# Altium PCB betrusted_dvt1b-dfm.PcbDoc (part 4 of 6) (continued)
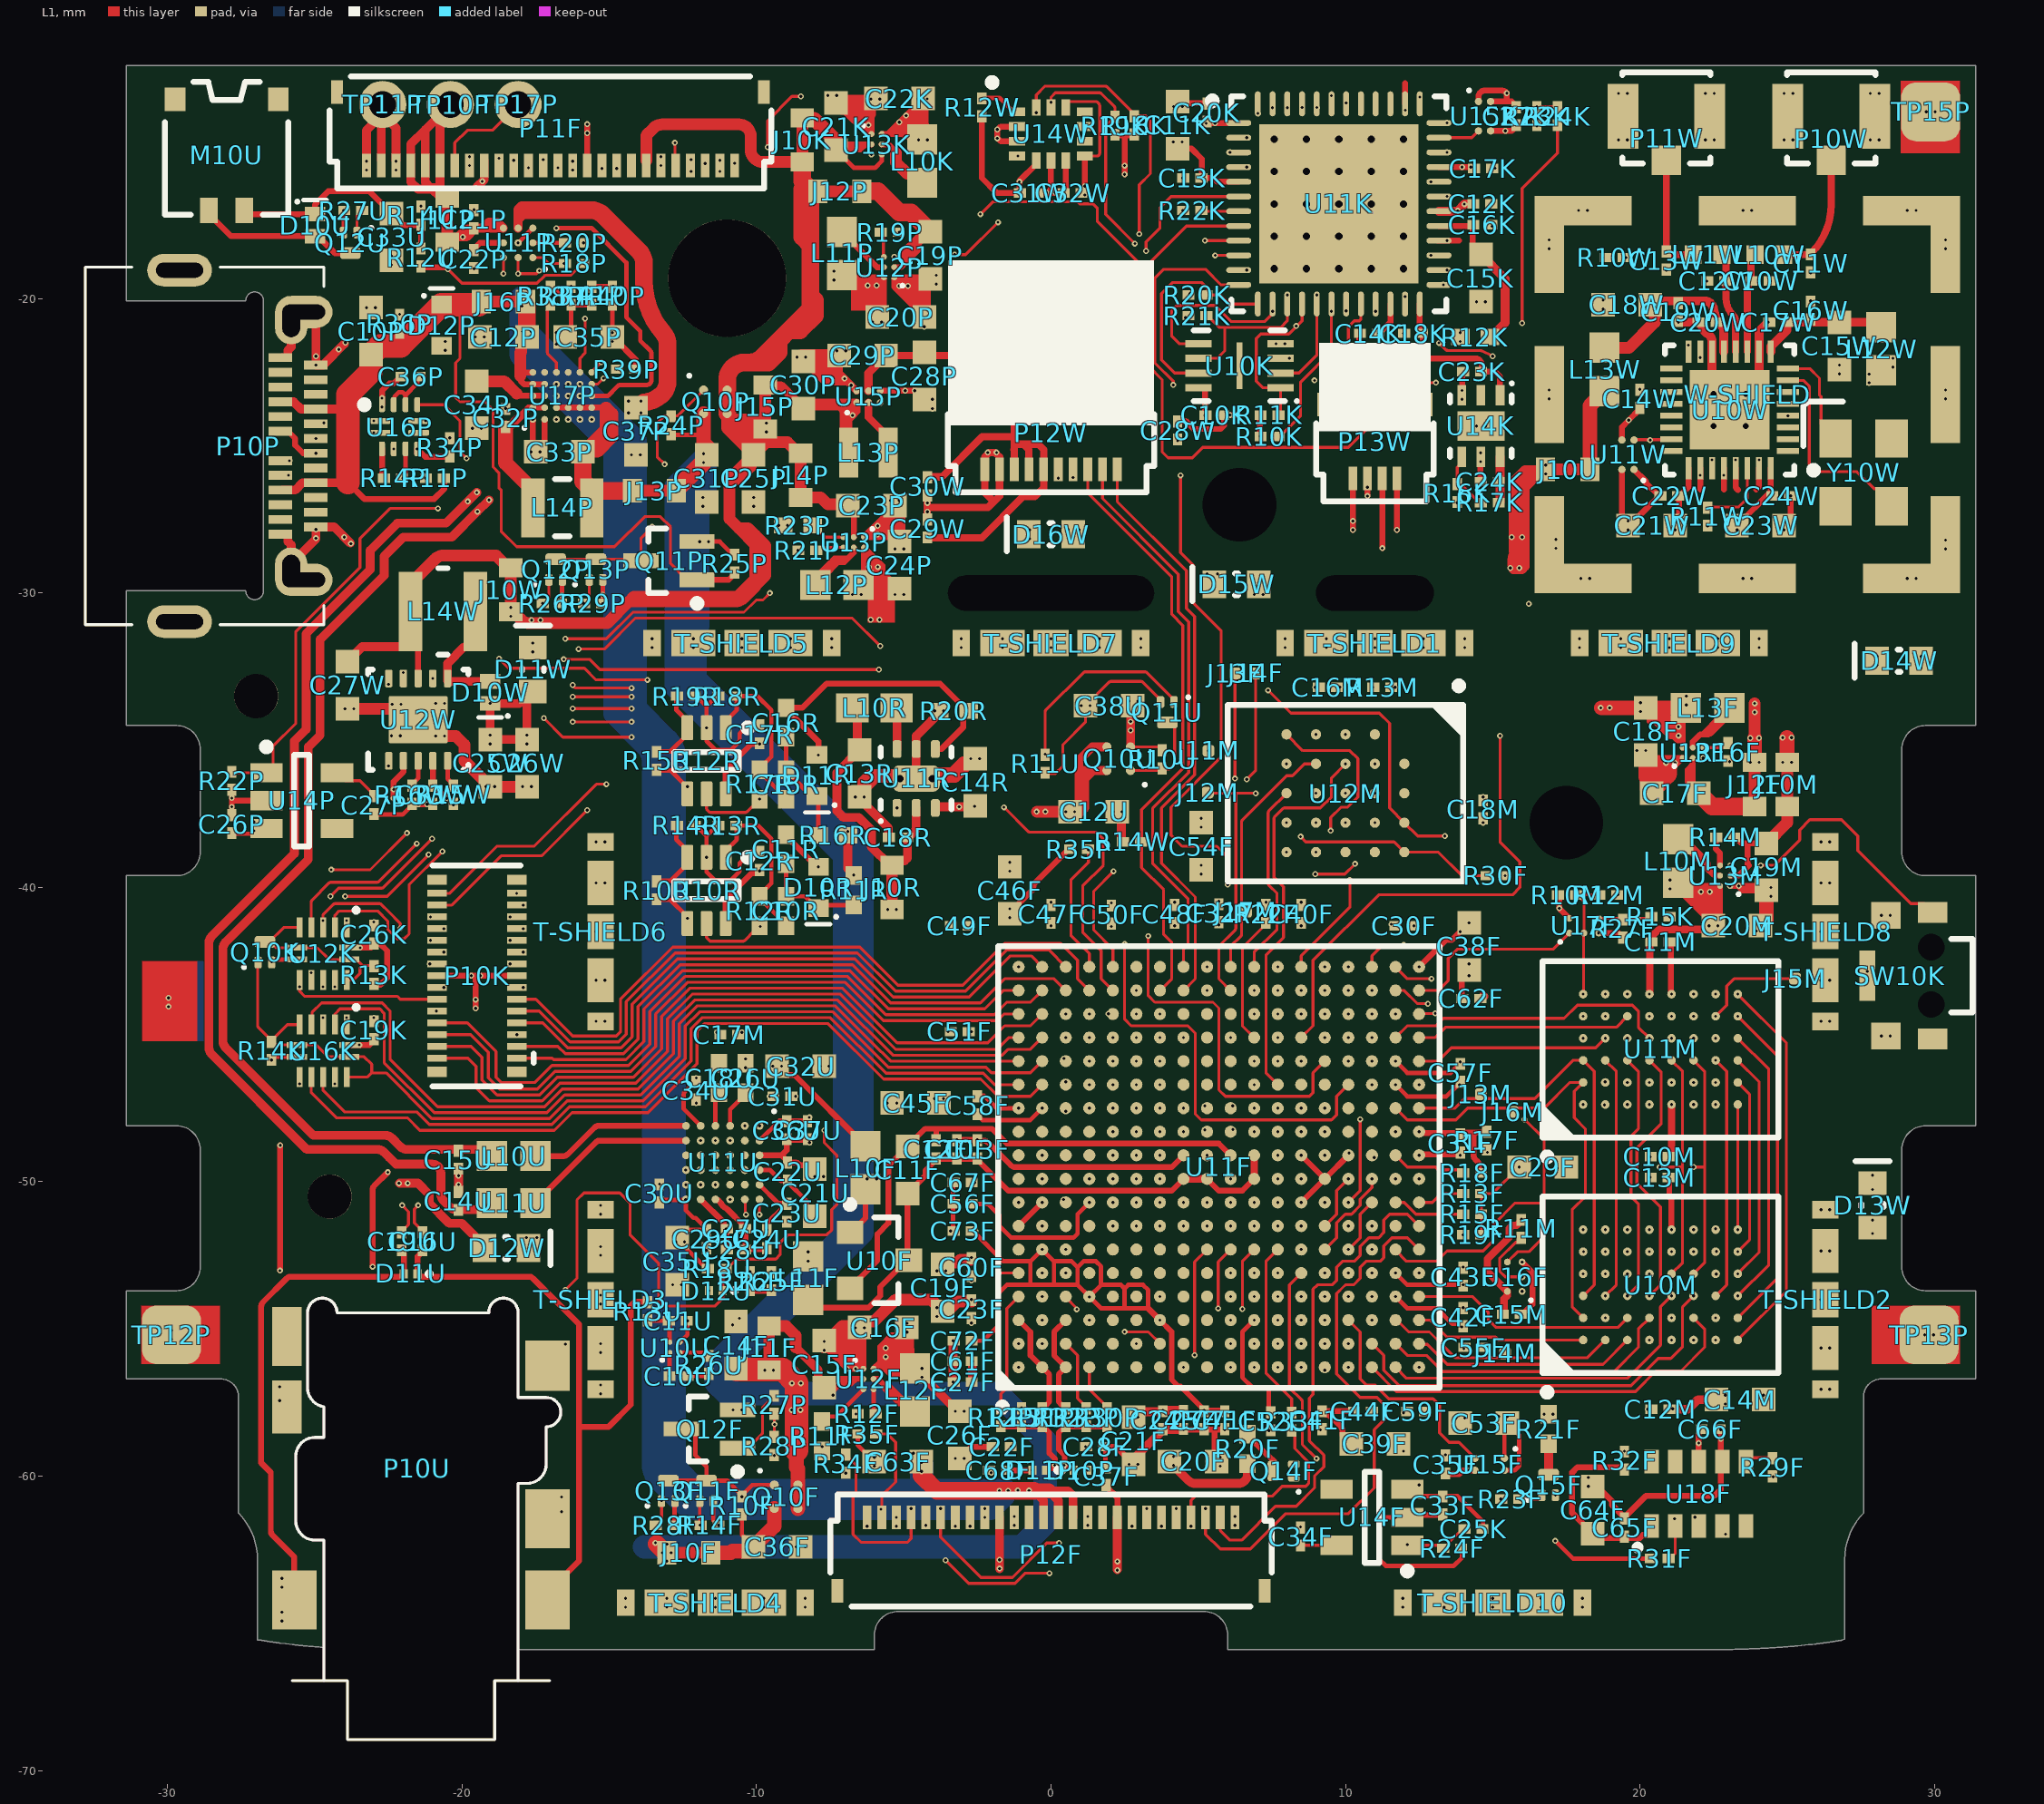
[diagram p0: L1 view]
## Nets (pads, with @x,y where several pads share a name; then routed paths per layer and width w, separated by ;. In a path a pad name is that pad's centre, name@x,y a point inside that pad or via, vN(x,y) a via of type N, cw(c..) or ccw(c..) an arc to the next point about the centre after c; other vN are vias at no path point) (continued)
  L1 w0.3: C12M.1@21.025,-57.725 21.65,-57.725 21.975,-57.4 C14M.1@22.6,-57.4
  L1 w0.5: v1@22.05,-40.2 21.665,-40.2 21.565,-40.1 21.56,-40.1 L10M.2@21.338,-39.878 ; v2(22.5,-41.3) ccw(c22.021,-41.156) 22.51,-41.05 21.339,-39.879 cw(c21.693,-39.526) L10M.2@21.338,-39.878 ; L10M.2@21.338,-39.878 cw(c21.693,-39.526) L10M.2@21.3,-39.835 21.3,-39.84 L10M.2@21.338,-39.878
  L2 w0.25: v1(20.325,-51.625) v2(20.325,-50.425) 20.35,-50.4 v1(20.35,-49.85) ; v1(20.325,-43.625) v2(20.325,-43.125) ; v2(21.075,-55.9) v1(21.075,-55.375) ; v2(21.075,-47.875) v1(21.075,-47.375)
  other v1: 21.118,-57.712 22.9,-57.55 22.9,-57.25 22.35,-41.3 22.65,-41.3 17.26,-40.71 22.075,-40.15 22.375,-40.15 21.025,-40.05 21.025,-39.75
  other v2: 21.118,-57.712 22.9,-57.4 15.975,-51.275 22.225,-40.15 21.025,-39.9
P1.8V_T: C12R.2 C16M.1 C17M.1 C17R.2 C18F.1 C18M.1 C27U.1 C28U.2 C29F.1 C30F.2 C31F.1 C31U.1 C32F.1 C32U.1 C33F.1 C35F.1 C38F.1 C39F.1 C40F.2 C41F.1 C42F.1 C43F.1 C44F.1 C52F.2 C53F.1 C54F.1 C55F.2 C56F.1 C57F.1 C58F.1 C59F.1 C62F.1 C67F.2 C68F.1 L10F.1 L13F.2 P12F.18 Q11U.1 R11U.2 R13F.2 R13M.2 R15F.2 R19F.1 R21F.2 R22F.2 R24F.2 R30F.1 R31F.1 R34F.1 U10R.6 U11F.B10 U11F.B12 U11F.D8 U11F.F12 U11F.H12 U11F.K12 U11F.L3 U11F.M12 U11F.N17 U11F.P4 U11F.P12 U11F.T16 U11F.U5 U11F.U13 U11F.V10 U11U.C2 U11U.E6 U12M.B4 U12M.D1 U12M.E4 U12R.6 U13F.A2 U14F.2 U15F.3 | length 74.7
  L1 w0.1: v1(-0.2,-35.475) -0.2,-34.041 cw(c-0.1,-34.041) -0.171,-33.971 1.096,-32.704 cw(c1.166,-32.775) 1.166,-32.675 3.189,-32.675 cw(c3.189,-32.775) 3.259,-32.704 4.18,-33.625 Q11U.1@4.18,-33.7 ; R19F.1@14.625,-51.8 14.625,-50.4 15,-50.4 v2(15.9,-49.5)
  L1 w0.15: C56F.1@-2.675,-50.75 -2.15,-50.75 -1.75,-51.15 -1.75,-51.5 -1.35,-51.9 0.762,-51.9 0.9,-51.762 v2(0.9,-51.1) v1(1.3,-50.7) ; C58F.1@-2.5,-47.725 -2.5,-47.75 -2.415,-47.835 -2.39,-47.835 -2.325,-47.9 -0.7,-47.9 v1(-0.3,-47.5) ; v1(6.9,-54.7) 6.5,-55.1 6.5,-56.65 6.825,-56.975 7.3,-56.975 7.4,-57.075 C52F.2@7.4,-57.8 ; C41F.1@9.2,-57.775 C41F.1@9.212,-57.787 ; C44F.1@10.263,-57.787 C44F.1@10.275,-57.8 ; v2(11.7,-53.1) 12.1,-53.5 13.95,-53.5 C43F.1@14,-53.55 ; v2(11.7,-46.7) 12.1,-47.1 13.425,-47.1 13.835,-46.69 13.9,-46.69 C57F.1@13.9,-46.65 ; U14F.2@12.1,-61.4 v1(11.7,-61.4) 11.35,-61.4 11.15,-61.6 11.15,-62.825 11.375,-63.05 13.675,-63.05 13.95,-62.775 R24F.2@13.95,-62.45 ; C38F.1@13.95,-43.05 C38F.1@14.2,-42.8 ; v1(17.125,-62.2) 17.725,-62.8 R31F.1@20.35,-62.8
  L1 w0.2: U11U.E6@-11.9,-50.6 -11.11,-51.39 -11.11,-51.54 -11.05,-51.6 v1(-11.038,-51.6) -11.025,-51.6 C28U.2@-11.025,-52.3 ; U10R.6@-11.05,-41.225 -11.05,-40.4 -10.16,-39.51 -9.96,-39.51 -9.9,-39.45 v1(-9.9,-39.438) C12R.2@-9.9,-39.425 ; U12R.6@-11.05,-36.825 -11.05,-36 -10.175,-35.125 v1(-9.9,-35.125) ; v2(-9.3,-46.075) -9,-46.375 -8.71,-46.375 -6.3,-48.785 L10F.1@-6.3,-48.79 ; C41F.1@9.2,-57.775 ccw(c9.387,-57.704) 9.246,-57.846 9.256,-57.856 ccw(c9.397,-57.714) 9.357,-57.91 9.397,-57.918 cw(c9.357,-58.114) 9.499,-57.974 9.842,-58.317 cw(c9.7,-58.458) 9.9,-58.457 ; C41F.1@9.212,-57.787 C44F.1@10.263,-57.787 ; 9.9,-58.458 9.9,-58.6 C39F.1@10.2,-58.9 ; U14F.2@12.1,-61.4 12.175,-61.325 C33F.1@13.3,-61.325 ; v1(12.5,-49.1) 12.538,-49.062 13.863,-49.062 C31F.1@13.9,-49.025 ; C35F.1@13.4,-59.925 13.863,-59.925 13.983,-59.805 U15F.3@14.4,-59.805 ; C62F.1@13.95,-43.775 C38F.1@13.95,-43.05 ; C18F.1@20.2,-33.9 C18F.1@20.325,-34.025 ; U13F.A2@21.45,-35.25 21.45,-35.006 ; L13F.2@21.565,-33.9 L13F.2@21.45,-34.015 ; C18F.1@20.325,-34.025 20.4,-34.1 20.65,-34.35 20.65,-34.375 ; C18F.1@20.325,-34.025 20.325,-34.35 20.625,-34.35 20.65,-34.375 ; 20.65,-34.375 21.281,-35.006 ; 21.281,-35.006 21.45,-35.006 ; 21.281,-35.006 21.281,-34.758 21.281,-34.184 L13F.2@21.45,-34.015 ; 21.45,-35.006 L13F.2@21.45,-34.015
  L1 w0.4: C18F.1@20.4,-34.1 20.725,-34.1 21.15,-34.525 21.15,-34.758 ; 20.65,-34.35 21.058,-34.758 21.15,-34.758 ; v1@21.281,-34.758 21.15,-34.758
  L1 w0.5: v1@18.7,-33.9 C18F.1@20.2,-33.9 L13F.2@21.565,-33.9
  L2 w0.15: v2@-2.229,-61.392 -2.229,-61.106 ccw(c-2.702,-60.633) -2.033,-60.633 -2.033,-59.909 cw(c-1.883,-59.909) v1(-2.031,-59.882)
  L2 w0.2: v2(-0.7,-48.7) v1(-0.3,-49.1) ; v2(-0.7,-47.1) v1(-0.3,-47.5) ; v2(0.9,-51.1) v1(1.3,-50.7) ; v2(2.5,-47.1) v1(2.9,-47.5) ; v2(4.1,-47.1) v1(4.5,-47.5) ; v1(6.174,-47.417) 6.183,-47.417 v2(6.5,-47.1) ; v1(7.7,-47.5) v2(8.1,-47.1) ; v1(9.3,-47.5) v2(9.7,-47.1) ; v2(11.109,-41.3) 11.159,-41.25 v1(11.559,-41.25) ; v1(12.5,-49.1) v2(12.9,-48.7) ; v2(13.434,-53.5) v1(14,-53.5) ; v2(13.5,-46.325) v1(13.875,-46.7) ; v2@13.625,-56.05 v2(13.7,-55.975) 14.005,-55.67 v1(14.017,-55.67) ; v2(13.751,-43.075) 14.125,-43.075 v1(14.2,-43) v1(14.2,-42.6) ; v1(13.9,-49.1) v2(14.3,-48.7) ; v1(14,-54.275) v2(14.566,-54.275)
  other v1: -2.25,-61.4 -2.25,-61.1 -6.975,-59.9 14.192,-59.805 10.05,-59.175 10.35,-59.175 13.75,-58.025 14.05,-58.025 16.75,-57.9 17.05,-57.9 10.225,-57.85 12.775,-57.85 9.3,-53.9 11.7,-53.1 -2.596,-50.035 15.9,-49.5 -10.9,-48.6 -9.556,-47.102 11.7,-46.7 -9.45,-46.075 -9.15,-46.075 -11.35,-44.925 10.9,-44.3 8.5,-43.5 8.5,-41.3 5.7,-41.275 7.3,-40.5 15.425,-39.6 5.1,-39.55 5.1,-39.25 8,-37.8 11,-37.8 14.675,-37.8 21.309,-34.842 9,-34.8 21.309,-34.542 20.025,-34.025 18.672,-33.9 18.972,-33.9 21.575,-33.8 20.025,-33.725 21.575,-33.5 8.975,-33.2 11.684,-33.197
  other v2: 17.125,-62.2 11.7,-61.4 -2.25,-61.25 -6.975,-59.9 14.192,-59.805 10.2,-59.175 13.9,-58.025 10.25,-57.9 12.8,-57.9 16.9,-57.9 6.9,-54.7 9.3,-53.9 -11.038,-51.6 -2.596,-50.035 -10.9,-48.6 -9.556,-47.102 -11.35,-44.925 10.9,-44.3 8.5,-43.5 8.5,-41.3 5.7,-41.275 7.3,-40.5 15.425,-39.6 -9.9,-39.438 5.1,-39.4 8,-37.8 11,-37.8 14.675,-37.8 -0.2,-35.475 -9.9,-35.125 9,-34.8 21.309,-34.692 18.822,-33.9 20.025,-33.875 21.575,-33.65 8.975,-33.2 11.684,-33.197
P2.5V: C18K.1 C23K.1 U11K.24 U14K.1 | length 5.5
  L1 w0.2: U11K.24@12.526,-20.177 12.526,-21.101 12.6,-21.175 12.625,-21.175 12.625,-21.832 ccw(c12.825,-21.832) 12.825,-22.032 14.425,-22.032 cw(c14.425,-22.232) 14.625,-22.232 14.625,-22.475 15.083,-22.475 15.25,-22.642 U14K.1@15.25,-23.275
P3.3V: C19K.1 C20K.1 C24P.1 C26K.1 C38U.1 J10U.1 L12P.2 L13W.2 P10K.24 P11F.9 Q10U.4 R10U.2 R13K.2 R14U.1 U11K.1 U12K.14 U13P.A2 U16K.14 | length 89.7
  L1 w0.1: Q10U.4@2.7,-35.225 3.675,-35.225 R10U.2@3.775,-35.325
  L1 w0.2: U16K.14@-23.835,-45.35 -23.15,-45.35 -23,-45.2 C19K.1@-23,-45.175 ; U12K.14@-23.835,-42.05 v1(-23.467,-42.05) -23.1,-42.05 -23,-41.95 -23,-41.925 -22.775,-41.925 -22.55,-42.15 -22.55,-43.075 -22.775,-43.3 R13K.2@-23,-43.3 ; C24P.1@-5.15,-29.85 -5.725,-29.275 ; C20K.1@5.3,-14 5.327,-14.027 U11K.1@6.376,-14.027 ; L12P.2@-6.35,-29.535 -6.35,-28.683 ; L12P.2@-6.35,-29.535 -6.175,-29.36 v1@-6.175,-29.109 ; L12P.2@-6.35,-29.535 L12P.2@-6.54,-29.725 -6.535,-29.725 -6.085,-29.275 -5.725,-29.275 ; -6.35,-28.683 U13P.A2@-6.35,-28.45 -6.038,-28.763 ; -6.35,-28.683 -6.175,-28.858 v1@-6.175,-29.109 ; v1@-6.175,-29.109 v1@-5.891,-29.109 ; v1@-6.175,-29.109 -6.141,-29.075 v1@-5.925,-29.075 ; -6.038,-28.763 -5.725,-29.075 ; -6.038,-28.763 -6.038,-28.962 v1@-5.925,-29.075 ; v1@-5.925,-29.075 v1@-5.891,-29.109 ; v1@-5.925,-29.075 -5.725,-29.075 ; v1@-5.891,-29.109 -5.725,-29.275 ; v1@-5.891,-29.109 -5.725,-29.275 ; -5.725,-29.275 -5.725,-29.075
  L1 w0.3: v1@-19.5,-16.2 -19.25,-15.95 P11F.9@-19.25,-15.3 ; C38U.1@2.577,-33.798 C38U.1@2.775,-33.6 ; Q10U.4@2.7,-35.225 2.702,-35.223 C38U.1@2.702,-34.023 ; 15.7,-29.2 15.691,-29.184 cw(c15.956,-29.044) 15.656,-29.044 15.656,-28.852 cw(c15.956,-28.852) 15.745,-28.64 ; 15.925,-26.512 15.925,-26.275 ; J10U.1@16.642,-25.883 16.1,-26.425 ; J10U.1@16.8,-25.875 J10U.1@16.8,-25.8 16.4,-25.8 ; 15.7,-27.431 15.7,-28.595 15.745,-28.64 ; 15.7,-27.431 15.925,-27.656 ; 15.7,-27.431 15.7,-26.5 ; 15.7,-26.5 15.7,-26.2 16.1,-25.8 16.4,-25.8 ; 15.7,-26.5 15.925,-26.275 ; 15.745,-28.64 15.925,-28.459 ; 15.855,-29.045 ccw(c15.625,-28.852) 15.925,-28.851 15.925,-28.459 ; 15.855,-29.045 16.1,-28.8 ; 15.855,-29.045 15.7,-29.2 16,-29.2 16.1,-29.1 16.1,-28.8 ; 15.925,-28.459 15.925,-27.656 ; 15.925,-27.656 15.925,-27.19 ; 15.925,-27.19 15.925,-26.724 cw(c16.225,-26.724) 16.013,-26.512 16.1,-26.425 ; 15.925,-27.19 16.1,-27.365 ; 15.925,-26.275 16.1,-26.1 ; 16.1,-28.8 16.1,-27.365 ; 16.1,-27.365 16.1,-26.425 ; 16.1,-26.425 16.1,-26.1 ; 16.1,-26.1 16.4,-25.8
  L1 w0.5: J10U.1@18.3,-25.8 18.3,-23.64 18.8,-23.14 L13W.2@18.8,-23.135
  L7 w0.54: v2(5.422,-14.04) 5.422,-13.716 5.651,-13.488 12.588,-13.488 13.4,-14.3 13.4,-16 13.075,-16.325 ; v2@5.432,-14.027 5.685,-13.775 12.35,-13.775 13.075,-14.5 13.075,-15.764 ; v2@15.8,-29.1 v2@15.85,-29.05 ; 12.8,-16.6 12.8,-16.039 13.075,-15.764 ; 12.8,-16.6 13.075,-16.325 ; 12.8,-16.6 12.8,-17.9 13.875,-18.975 15.125,-18.975 ; 13.075,-16.325 13.075,-15.764 ; 13.075,-16.325 13.075,-17.55 14.175,-18.65 14.8,-18.65 ; 14.8,-18.65 15.35,-18.65 15.675,-18.975 ; 14.8,-18.65 15.125,-18.975 ; 15.125,-18.975 15.675,-18.975 ; 15.125,-18.975 15.925,-19.775 15.925,-22.285 ; 15.6,-24.6 15.6,-25.1 16.161,-25.661 ; 15.6,-24.6 15.925,-24.925 ; 15.6,-24.6 15.6,-23.245 ; 15.6,-23.245 15.6,-22.61 15.925,-22.285 ; 15.6,-23.245 15.925,-22.92 ; 15.675,-18.975 16.3,-19.6 16.3,-22.545 15.925,-22.92 ; v2@15.85,-29.05 16.3,-28.6 16.3,-26.806 ; v2@15.85,-29.05 15.85,-26.75 16.161,-26.439 ; 15.925,-24.925 16.161,-25.161 ; 15.925,-24.925 15.925,-22.92 ; 15.925,-22.92 15.925,-22.285 ; 16.161,-26.439 16.3,-26.3 ; 16.161,-26.439 16.161,-26.161 ; 16.161,-26.161 16.161,-25.661 ; 16.161,-26.161 16.3,-26.3 ; 16.161,-25.661 16.161,-25.161 ; 16.161,-25.161 v2@16.8,-25.8 ; 16.3,-26.806 16.3,-26.3 ; 16.3,-26.806 16.8,-26.306 v2@16.8,-25.8 ; 16.3,-26.3 v2@16.8,-25.8
  other v1: -23.492,-45.35 -21.1,-42.6 2.702,-34.664 2.702,-34.364 2.64,-33.672 2.94,-33.672 -6.127,-30.905 -5.827,-30.905 -6.75,-30.05 -6.45,-30.05 -5.3,-30.05 -5,-30.05 15.602,-29.148 15.902,-29.148 -6.183,-29.109 -5.883,-29.109 15.645,-28.102 16,-28.1 16.8,-25.95 16.8,-25.65 -21.4,-16.85 -19.544,-16.236 -19.317,-16.01 5.272,-14.04 5.572,-14.04
  other v2: -23.492,-45.35 -21.1,-42.6 -23.467,-42.05 2.702,-34.514 2.79,-33.672 -5.977,-30.905 -6.6,-30.05 -5.15,-30.05 15.752,-29.148 -6.033,-29.109 15.8,-28.1 16.8,-25.8 -21.4,-16.85 -19.431,-16.123
P3.3V_A: C10U.1 C12U.1 C23U.1 C24U.2 C29U.1 C30U.2 C34U.1 C35U.1 C36U.1 C37U.2 C45F.1 C46F.1 C47F.2 C48F.1 C49F.1 C50F.1 C51F.1 C71F.2 C72F.1 C73F.1 C74F.1 Q10U.2 Q10U.3 R18U.2 R25F.2 R26F.2 R32F.2 R35P.2 U10U.A1 U11F.B6 U11F.C15 U11F.D4 U11F.F16 U11F.G3 U11F.J17 U11U.A2 U11U.A5 U11U.E2 U11U.F6 | length 80
  L1 w0.15: C30U.2@-13.3,-50.725 -13.3,-50.707 -13.215,-50.622 -12.422,-50.622 v1(-12.411,-50.611) U11U.F6@-12.4,-50.6 -12.4,-50.975 -12.15,-51.225 -12.075,-51.225 -11.7,-51.6 -11.7,-51.625 -12.425,-51.625 C35U.1@-12.7,-51.9 -12.375,-52.225 -12.375,-52.275 -11.7,-52.95 R18U.2@-11.675,-52.95 ; v1(-12.975,-56.6) -12.956,-56.581 -12.956,-55.806 U10U.A1@-12.95,-55.8 ; U11U.A5@-9.9,-50.1 -9.275,-50.725 -8.975,-50.725 -8.975,-50.75 -9.06,-50.835 -9.085,-50.835 -9.65,-51.4 v1(-9.65,-51.625) ; U11U.A2@-9.9,-48.6 -9.225,-47.925 -8.975,-47.925 C37U.2@-8.275,-47.925 ; C72F.1@-2.675,-55.4 -2.3,-55.4 -1.8,-54.9 -1.8,-53.8 -1.5,-53.5 -0.717,-53.5 ; C73F.1@-2.675,-51.675 -2.65,-51.675 -1.625,-52.7 v2(-0.7,-52.7) ; -0.717,-53.5 0.067,-53.5 ; -0.717,-53.5 -0.7,-53.483 v2(-0.7,-52.7) ; v2(-0.7,-52.7) v1(-0.3,-52.3) 0.1,-52.7 ; 0.067,-53.5 0.9,-53.5 ; 0.067,-53.5 0.1,-53.467 0.1,-52.7 ; 0.1,-52.7 0.7,-52.7 0.9,-52.9 ; 0.9,-53.5 0.9,-52.9 ; 0.9,-53.5 U11F.D4@1.3,-53.9 ; 0.9,-52.9 1.1,-52.7 1.525,-52.7 1.7,-52.875 1.7,-53.5 ; U11F.D4@1.3,-53.9 1.7,-54.3 2.5,-54.3 ; U11F.D4@1.3,-53.9 1.7,-53.5 ; 1.7,-53.5 2.375,-53.5 2.45,-53.575 2.5,-53.625 ; 2.5,-54.3 3.3,-54.3 3.3,-53.675 3.125,-53.5 2.625,-53.5 2.5,-53.625 ; 2.5,-54.3 2.5,-53.625
  L1 w0.18: v1(3.7,-54.7) 4.095,-55.095 4.095,-56.72 4.325,-56.95 4.4,-56.95 5.2,-57.75 v1(5.2,-57.775)
  L1 w0.2: R26F.2@-10.225,-53.7 v2(-9.5,-53.7) ; C46F.1@-1.4,-40.9 -1.4,-40.85 -1.359,-40.809 -0.659,-40.109 ccw(c-0.8,-39.967) -0.6,-39.967 -0.6,-39.9 0.6,-38.7 R35P.2@0.625,-38.7 ; v1@-0.525,-37.425 v1@-0.475,-37.425 ; 3.3,-54.3 v1(3.7,-54.7) ; v1(5.2,-57.775) C71F.2@5.9,-57.775
  L1 w0.3: C12U.1@0.935,-37.138 0.95,-37.124 0.95,-36.025 ; C12U.1@0.94,-37.51 1.15,-37.3 1.15,-36.3 1.425,-36.025 ; Q10U.2@1.9,-36.025 1.425,-36.025 ; Q10U.3@1.9,-35.225 1.4,-35.225 0.95,-35.675 0.95,-36.025 ; 0.95,-36.025 1.425,-36.025
  L1 w0.4: v1@-0.475,-37.425 v2(0.65,-37.425)
  L2 w0.15: v1(-12.05,-47.325) -11.944,-47.431 cw(c-12.05,-47.537) -11.9,-47.537 v1(-11.9,-48.6)
  L2 w0.2: v1(-0.3,-52.3) v2(-0.7,-52.7) v2@-0.757,-52.757 ; v1(1.3,-53.912) 1.293,-53.906 0.806,-53.906 ; v1(1.3,-53.912) cw(c1.298,-54.112) 1.44,-53.972 1.585,-54.117 ; 1.675,-54.289 1.675,-54.455 ; 1.675,-54.288 ccw(c1.475,-54.289) 1.617,-54.148 ; v1(3.7,-54.7) v2(3.3,-55.1) 3.282,-55.118 3.282,-55.618 3,-55.9 3,-56.2 2.8,-56.4 2.1,-56.4 ; v2(18.275,-58.325) 18.65,-58.325 v1(19.475,-59.15) ; -0.85,-54.2 0.017,-54.2 ; -0.85,-54.2 -1.075,-54.2 -1.35,-53.925 -1.35,-53.1 -1.007,-52.757 v2@-0.757,-52.757 ; -0.85,-54.2 -1.2,-53.85 -1.2,-53.2 v2@-0.757,-52.757 ; 0.017,-54.2 ccw(c0.017,-53.199) 0.019,-54.2 ; 0.017,-54.2 0.019,-54.2 ; 0.019,-54.2 ccw(c0.017,-53.199) 0.236,-54.176 ; 0.019,-54.2 0.519,-54.2 0.687,-54.032 ; 0.236,-54.176 ccw(c0.017,-53.199) 0.572,-54.032 ; 0.236,-54.176 0.506,-53.906 0.804,-53.906 ; 0.572,-54.032 ccw(c0.017,-53.199) 0.674,-53.955 cw(c0.805,-54.106) 0.804,-53.906 ; 0.572,-54.032 0.687,-54.032 ; 0.687,-54.032 1.251,-54.032 1.675,-54.455 ; 0.804,-53.906 cw(c0.805,-54.106) 0.806,-53.906 ; 0.804,-53.906 0.806,-53.906 ; 1.585,-54.117 1.617,-54.148 ; 1.585,-54.117 1.617,-54.148 ; 1.617,-54.148 1.85,-54.382 1.85,-54.691 1.675,-54.866 ; 1.675,-54.866 1.675,-54.455 ; 1.675,-54.866 1.675,-55.975 2.1,-56.4 ; 1.675,-54.866 1.5,-55.041 1.5,-56.05 1.85,-56.4 2.1,-56.4
  L7 w0.2: v1(5.2,-57.775) 5.2,-58.65 5.45,-58.9 9.7,-58.9 9.95,-58.65 17.425,-58.65 17.75,-58.325 v2(18.275,-58.325)
  other v1: -9.5,-53.7 -12.749,-52.043 -12.449,-52.043 -2.565,-51.679 -8.211,-47.813 -3.95,-47.175 -3.65,-47.175 0.5,-45.1 -2.7,-44.9 2.9,-44.3 5.3,-43.5 2.05,-41.325 -2.7,-41.3 0,-41.3 4.2,-41.3 -1.4,-41.025 -1.4,-40.725 -0.489,-37.425 -0.189,-37.425 0.5,-37.425 0.8,-37.425
  other v2: 5.2,-57.775 -12.975,-56.6 -12.599,-52.043 -2.565,-51.679 -9.65,-51.625 -12.411,-50.611 -11.9,-48.6 -8.211,-47.813 -3.8,-47.175 0.5,-45.1 -2.7,-44.9 2.9,-44.3 5.3,-43.5 2.05,-41.325 -2.7,-41.3 0,-41.3 4.2,-41.3 -1.4,-40.875 -0.339,-37.425
P5.0V: C28P.1 C29P.1 C29W.2 C30W.2 P12W.3 P12W.4 P12W.5 U15P.B2 | length 20.5
  L1 w0.25: C29P.1@-5.6,-21.925 -2.95,-21.925 -1.25,-23.625 -1.25,-24.687 ; C30W.2@-4.2,-26.05 -3.7,-26.05 -2.337,-24.687 -1.25,-24.687 ; C29W.2@-4.14,-28.185 -4.165,-28.185 -4.2,-28.15 -4.2,-28.125 -2.35,-28.125 -0.95,-26.725 -0.55,-26.725 -0.25,-26.425 P12W.5@-0.25,-25.8 -0.25,-25.125 -0.435,-24.94 -0.935,-24.94 ; -1.262,-25.125 -1.25,-25.137 ; P12W.3@-1.25,-25.925 P12W.3@-1.25,-25.8 -1.25,-25.137 ; P12W.4@-0.75,-25.925 P12W.4@-0.75,-25.8 -0.75,-25.125 -0.935,-24.94 ; -1.25,-25.137 -1.25,-24.94 ; -1.25,-24.94 -1.25,-24.687 ; -1.25,-24.94 -0.935,-24.94
  L1 w0.28: U15P.B2@-6.2,-23.125 -6.2,-22.525 C29P.1@-5.6,-21.925
PACK_P: C21P.2 J11P.1 P11F.4 P11F.5 P11F.6 TP10P.1 U11P.C3 U17P.F3 | length 28.9
  L1 w0.15: v1(-16.8,-17.6) -15.6,-17.6 -14.425,-18.775 -14.425,-20.625 ; U17P.F3@-15.6,-23.3 -15.05,-23.3 -14.719,-22.969 cw(c-14.613,-23.075) -14.613,-22.925 -13.725,-22.925 ccw(c-13.725,-22.775) -13.575,-22.774 -13.575,-21.862 ccw(c-13.725,-21.862) -13.619,-21.756 -13.95,-21.425 -13.95,-21.1 -14.425,-20.625 ; -14.425,-19.413 -14.425,-20.625
  L1 w0.3: J11P.1@-20.756,-16.607 -20.756,-16.544 -21.025,-16.275 ; J11P.1@-20.5,-17.9 J11P.1@-20.14,-17.9 ; J11P.1@-20.5,-16.4 -20.575,-16.4 -20.75,-16.225 ; -21.25,-14.25 -21.75,-14.75 -21.75,-16.025 -21.5,-16.275 -21.025,-16.275 ; -21.25,-14.25 P11F.5@-21.25,-15.475 -21.25,-16.05 -21.075,-16.225 ; -21.25,-14.25 TP10P.1@-20.4,-13.4 -20.4,-13.752 -20.75,-14.102 P11F.6@-20.75,-15.475 -20.75,-16.225 ; -21.075,-16.225 -21.025,-16.275 ; -21.075,-16.225 -20.75,-16.225 ; -21.025,-16.275 -20.75,-16.275 -20.75,-16.225 ; J11P.1@-20.14,-17.9 v1(-19.98,-17.9) -19.85,-17.9 -19.6,-17.65 C21P.2@-19.6,-17.625 ; J11P.1@-20.14,-17.9 -19.865,-17.625 C21P.2@-19.6,-17.625 ; C21P.2@-19.6,-17.625 C21P.2@-19.6,-17.61 ; C21P.2@-19.6,-17.61 -19.6,-17.6 -19.59,-17.59 -19.29,-17.59 -19.1,-17.4 -18.8,-17.4 U11P.C3@-18.6,-17.6 -19.59,-17.6 C21P.2@-19.6,-17.61
  L2 w0.15: v1(-19.98,-17.9) -19.762,-17.9 ccw(c-19.762,-17.75) -19.656,-17.856 -18.819,-17.019 cw(c-18.713,-17.125) -18.713,-16.975 -17.425,-16.975 v1(-16.8,-17.6)
PROG_B: C25K.1 P12F.21 R24F.1 SW10K.5 U11F.R8 U12M.A4 U14F.1 U17P.D4 | length 140.5
  L1 w0.1: P12F.21@-3.75,-61.4 -3.75,-62.075 -2.384,-63.441 -1.309,-63.441 -0.143,-62.275 v1(0.275,-62.275) ; v1(7.375,-33.3) 8.15,-34.075 11.15,-34.075 11.5,-34.425 11.5,-37.3 U12M.A4@12,-37.8 12.45,-38.25 v1(13.375,-38.25) ; v1(10.1,-50.7) 10.5,-50.3 10.5,-47.9 10.502,-47.898 v1(10.502,-47.877) ; U14F.1@12.1,-62.35 13.2,-62.35 13.3,-62.45 13.325,-62.45 13.865,-61.91 13.915,-61.91 C25K.1@14.025,-61.8 ; v1(24.107,-39.248) 24.522,-39.248 ccw(c24.522,-39.148) 24.593,-39.219 25.427,-38.385 25.427,-38.048 25.775,-37.7 26.85,-37.7 27.4,-38.25 27.4,-38.75 29.2,-40.55 29.65,-40.55 SW10K.5@29.95,-40.85
  L2 w0.1: v2(-17.825,-22.1) -17.325,-21.6 -17.325,-21.225 -16.949,-20.849 -16.677,-20.849 ; -16.675,-20.85 -16.4,-21.125 v1(-16.4,-22.9) ; v1(-3.75,-61.1) -3.468,-60.818 -3.043,-60.818 -2.5,-60.275 -2.5,-59.693 -2.107,-59.3 -1.616,-59.3 -1.545,-59.371 ccw(c-1.474,-59.3) -1.474,-59.4 -1.174,-59.4 ccw(c-1.174,-59.3) -1.103,-59.371 -1.052,-59.319 cw(c-0.981,-59.39) -1.043,-59.311 -1.014,-59.288 ccw(c-1.077,-59.21) -1.007,-59.282 -0.85,-59.125 -0.1,-59.125 0.675,-58.35 1.525,-58.35 2.503,-57.372 3.32,-57.372 3.9,-56.792 3.9,-56.5 3.9,-56.264 4.132,-56.032 4.132,-55.743 4.721,-55.154 ccw(c4.65,-55.084) 4.75,-55.084 4.75,-53.516 cw(c4.85,-53.516) 4.779,-53.446 5.725,-52.5 7.925,-52.5 8.175,-52.75 8.908,-52.75 9.5,-52.158 9.5,-51.3 v1(10.1,-50.7) ; v2(-1.325,-19.45) -1.8,-19.925 -1.8,-24.225 -3.075,-25.5 -3.075,-27.325 -4.175,-28.425 -4.175,-31.7 -3.075,-32.8 -1.45,-32.8 0.925,-35.175 3.9,-35.175 5.775,-33.3 v1(7.375,-33.3) ; v1(0.275,-62.275) 1.35,-62.275 1.825,-61.8 1.825,-60.825 2.525,-60.125 7.975,-60.125 8.5,-60.65 9.475,-60.65 11.15,-62.325 v1(12.1,-62.325) ; v1(10.502,-47.877) 10.504,-47.875 12.15,-47.875 13.05,-46.975 13.05,-44.75 12.45,-44.15 12.45,-43.05 11.901,-42.501 11.901,-42.276 11.675,-42.05 11.675,-41.825 12.075,-41.425 12.075,-40.95 13.662,-39.363 13.688,-39.363 ; v1(13.375,-38.25) 13.375,-39.05 13.688,-39.363 ; v1(24.107,-39.248) 23.694,-39.248 cw(c23.694,-39.148) 23.624,-39.219 23.404,-39 21.234,-39 20.4,-39.834 20.4,-41.275 20.15,-41.525 19.45,-41.525 18.025,-40.1 14.425,-40.1 13.688,-39.363
  L7 w0.1: v2(-17.825,-22.1) -15.6,-22.1 -15.375,-21.875 -13.65,-21.875 -13.125,-22.4 -11.6,-22.4 -11.075,-22.925 -8.725,-22.925 -7.975,-22.175 -7.975,-21.575 -6.55,-20.15 -2.025,-20.15 v2(-1.325,-19.45)
PWR_S0: R15K.2 R27F.1 U11F.U6 U11K.19 U16F.C2 U17F.C2 | length 64.3
  L1 w0.1: U11F.U6@11.7,-52.3 11.7,-52.325 12.075,-52.7 13.1,-52.7 13.45,-52.35 14.675,-52.35 15.025,-52 15.025,-51.45 15.75,-50.725 16.75,-50.725 ; U16F.C2@15.5,-52.725 15.85,-52.375 16.225,-52.375 16.75,-51.85 16.75,-50.725 ; v1(16.075,-47.875) 16.75,-48.55 16.75,-50.725 ; U17F.C2@18.6,-41.05 v1(19.925,-41.05) 20.325,-41.05 R15K.2@20.375,-41
  L2 w0.1: v1(10.024,-20.411) 10.024,-21.964 10.459,-22.4 11.025,-22.4 11.174,-22.549 11.174,-24.149 13.4,-26.375 13.95,-26.375 14.67,-27.095 16.045,-27.095 16.65,-27.7 16.65,-30.175 17.675,-31.2 21.475,-31.2 22.075,-31.8 22.075,-34.325 23.35,-35.6 23.35,-35.85 19.925,-39.275 v1(19.925,-41.05) ; v1(16.075,-47.875) v2(16.075,-47.275)
  L7 w0.1: v2(16.075,-47.275) 16.6,-46.75 19.884,-46.75 20.234,-47.1 23.3,-47.1 24.625,-45.775 24.625,-42.741 ccw(c24.525,-42.741) 24.595,-42.67 22.647,-40.722 21.947,-40.722 21.725,-40.5 20.475,-40.5 v1(19.925,-41.05)
  other v2: 19.925,-41.05
PWR_S1: U11F.L13 U11K.12 | length 34.7
  L1 w0.1: v1(4.152,-22.928) 4.152,-22.802 3.525,-22.175 3.525,-19.3 3.825,-19 5.25,-19 5.777,-19.527 U11K.12@6.376,-19.527 ; v1(4.4,-26) 4.4,-28.625 4.85,-29.075 4.85,-30.35 5.775,-31.275 5.775,-35.575 4.075,-37.275 4.075,-38.225 4.45,-38.6 5.625,-38.6 6,-38.975 v1(6,-39.9)
  L2 w0.1: v1(4.152,-22.928) 4.152,-23.077 4.65,-23.575 4.65,-25.75 v1(4.4,-26) ; v1(6,-39.9) 6.175,-40.075 6.175,-41.45 5.75,-41.875 5.75,-43.687 5.65,-43.787 5.65,-45.475 6.875,-46.7 v1(6.9,-46.7)
RES_CT: C34F.1 U14F.5 | length 1.2
  L1 w0.1: C34F.1@8.475,-62.375 8.5,-62.35 U14F.5@9.7,-62.35
RTC_3.3V: C64F.1 C65F.1 R32F.1 U18F.1 | length 6.5
  L1 w0.2: C64F.1@18.4,-61.95 17.7,-61.25 17.7,-59.875 17.875,-59.7 19.375,-59.7 19.39,-59.715 19.415,-59.715 19.475,-59.775 R32F.1@19.475,-59.8 ; C64F.1@18.475,-61.875 18.7,-62.1 20,-62.1 20.1,-62 20.25,-62 20.4,-61.85 U18F.1@20.4,-61.7
RTC_INT1: R31F.2 U11F.N5 U18F.2 | length 21
  L1 w0.1: U11F.N5@8.5,-53.1 8.1,-53.5 8.1,-57 8.506,-57.406 cw(c8.435,-57.477) 8.535,-57.477 8.535,-58.922 v1(9.015,-59.402) ; R31F.2@21,-62.8 21.025,-62.8 21.2,-62.625 U18F.2@21.2,-61.7
  L2 w0.1: v1(9.015,-59.402) 9.702,-59.402 10.125,-59.825 12.925,-59.825 13.425,-60.325 16.2,-60.325 17.296,-61.421 ccw(c17.366,-61.35) 17.366,-61.45 v1(21.175,-61.45)
RTC_WAKE_N: R29F.1 U18F.6 | length 1
  L1 w0.1: U18F.6@23.6,-59.5 23.725,-59.375 R29F.1@24.5,-59.375
SPINOR_CSN: R13M.1 U11F.M13 U12M.C2 | length 16.2
  L1 w0.1: U11F.M13@7.7,-46.7 7.3,-46.3 7.3,-42.3 7.9,-41.7 7.9,-39.98 7.575,-39.655 7.575,-37.66 cw(c7.675,-37.66) 7.604,-37.59 7.865,-37.329 cw(c7.935,-37.4) 7.935,-37.3 ; 7.935,-37.3 9.15,-37.3 9.525,-36.925 9.525,-36.275 v1(10,-35.8)
  L2 w0.1: v1(10,-35.8) 10.925,-34.875 v1(10.925,-33.2)
SPINOR_DQS: U11F.R14 U12M.C3 | length 10.7
  L2 w0.1: v1(10,-36.8) 10.3,-37.1 10.3,-38.8 9.8,-39.3 9.8,-41.2 8.9,-42.1 8.9,-44.466 8.9,-44.7 8.9,-45.3 9.1,-45.5 9.7,-45.5 v1(10.1,-45.9)
SPINOR_ECSN: R30F.2 U11F.L16 U12M.A5 | length 14.5
  L1 w0.1: v1(8.475,-38.275) 8.65,-38.45 11.65,-38.45 U12M.A5@12,-38.8 13.15,-38.8 13.95,-39.6 R30F.2@14.775,-39.6
  L2 w0.1: v1(6.9,-44.3) 6.4,-43.8 6.4,-42.2 6.9,-41.7 6.9,-38.875 7.5,-38.275 v1(8.475,-38.275)
SPINOR_IO2: U11F.L14 U12M.C4 | length 11.8
  L2 w0.1: v1(6.9,-45.9) 6.9,-44.7 6.2,-44 6.2,-42.1 6.7,-41.6 6.7,-38.475 7.775,-37.4 9.6,-37.4 v1(10,-37.8)
SPINOR_IO3: U11F.M15 U12M.D4 | length 8.7
  L2 w0.1: v1(7.7,-45.1) 7.7,-44.7 6.6,-43.6 6.6,-42.5 7.7,-41.4 7.7,-39.7 8.971,-38.429 ccw(c8.9,-38.359) 9,-38.359 v1(9,-37.8)
SPINOR_IO4: U11F.L17 U12M.D5 | length 5.6
  L2 w0.1: v1(6.9,-43.5) 6.9,-42.5 7.9,-41.5 7.9,-40.1 8.4,-39.6 8.4,-39.4 v1(9,-38.8)
SPINOR_IO5: U11F.L18 U12M.E3 | length 6.6
  L1 w0.1: U11F.L18@6.9,-42.7 6.9,-42.2 7.675,-41.425 7.675,-40.202 7.404,-39.931 cw(c7.475,-39.86) 7.375,-39.86 7.375,-37.466 cw(c7.475,-37.466) 7.404,-37.396 U12M.E3@8,-36.8
SPINOR_IO6: U11F.M14 U12M.E2 | length 12.8
  L2 w0.1: v1(7.7,-45.9) 7.4,-46.2 6.825,-46.2 6.6,-45.975 6.6,-44.9 6,-44.3 6,-42 6.5,-41.5 6.5,-36.9 7.6,-35.8 v1(8,-35.8)
SPINOR_IO7: U11F.N14 U12M.E1 | length 14.3
  L1 w0.1: U12M.E1@8,-34.8 8.55,-35.35 10.15,-35.35 10.425,-35.625 10.425,-36.925 10.075,-37.275 9.85,-37.275 9.5,-37.625 v1(9.5,-38.075)
  L2 w0.1: v1(8.5,-45.9) 8.5,-45.666 8.1,-45.266 8.1,-43.666 8.1,-42.5 9.2,-41.4 9.2,-40.025 9.5,-39.725 v1(9.5,-38.075)
SPINOR_MISO: J17M.1 U11F.K18 U12M.D2 | length 8.4
  L1 w0.1: U11F.K18@6.1,-42.7 6.1,-42 6.446,-41.654 ccw(c6.375,-41.584) 6.475,-41.584 6.475,-37.766 cw(c6.575,-37.766) 6.504,-37.696 8,-36.2 8.2,-36.2 8.6,-35.8 U12M.D2@9,-35.8
SPINOR_MOSI: J12M.1 U11F.K17 U12M.D3 | length 10.8
  L1 w0.1: J12M.1@5.325,-36.8 6.275,-36.8 ; U11F.K17@6.1,-43.5 5.7,-43.1 5.7,-42 6.246,-41.454 ccw(c6.175,-41.384) 6.275,-41.384 6.275,-36.8 ; v1(6.951,-36.803) 6.948,-36.8 6.275,-36.8
  L2 w0.1: v1(6.951,-36.803) 6.952,-36.801 8.999,-36.801 v1(9,-36.8)
SPINOR_SCK: J11M.1 U11F.C8 U11F.C12 U12M.B2 | length 28.4
  L2 w0.1: v1(0.425,-50.602) 0.425,-49.473 0.419,-49.466 0.5,-49.385 ; v1(0.5,-47.602) 0.5,-49.384 ; v1(11,-35.8) 10.6,-36.2 8.9,-36.2 8.059,-35.359 v7(5.348,-35.359) 5.348,-36.077 4.65,-36.775 4.65,-41.493 4.45,-41.693 4.45,-44.209 ccw(c4.55,-44.209) 4.479,-44.279 4.72,-44.52 cw(c4.65,-44.591) 4.75,-44.591 4.75,-46.282 5.476,-47.008 5.476,-48.339 5.45,-48.365 5.45,-48.375 4.441,-49.384 0.5,-49.384
SPK+: C14U.1 L11U.2 P11F.23 P11F.24 | length 54.7
  L1 w0.3: v1(-19.501,-26.581) -19.506,-26.581 v1(-19.812,-26.887) -20.55,-27.625 -22.2,-27.625 -23.125,-28.55 -23.125,-29.203 -25.3,-31.378 -25.3,-34.628 -25.7,-35.028 -25.7,-38.853 -28.512,-41.665 ccw(c-28.3,-41.878) -28.6,-41.878 -28.6,-45.451 ccw(c-28.3,-45.451) -28.512,-45.663 -25.275,-48.9 -22.874,-48.9 cw(c-22.874,-49.2) -22.661,-48.989 -22.483,-49.167 -22.25,-49.4 -21.025,-49.4 cw(c-21.025,-49.7) -20.725,-49.701 -20.725,-50.426 ccw(c-20.425,-50.426) -20.637,-50.638 -20.413,-50.862 ccw(c-20.201,-50.65) -20.201,-50.95 -20.125,-50.95 -19.21,-50.95 L11U.2@-18.985,-50.725
  L2 w0.3: v1(-19.812,-26.887) -19.506,-26.581 v1(-19.501,-26.581) -18.695,-25.775 -15.65,-25.775 -14.175,-24.3 -13.675,-24.3 -13.375,-24 -13.375,-21.275 -14.3,-20.35 -14.3,-17.975 -12.225,-15.9 ; v1(-12.225,-15.275) -12.225,-15.9 ; -11.75,-15.275 -11.75,-15.7 -11.95,-15.9 -12.225,-15.9
  other v1: -12.228,-15.672 -11.747,-15.405
SPK-: C15U.2 L10U.2 P11F.25 P11F.26 | length 54
  L1 w0.25: L10U.2@-19.21,-48.9 L10U.2@-18.985,-49.125
  L1 w0.3: L10U.2@-19.21,-48.9 -20.325,-48.9 -21.876,-48.9 cw(c-21.876,-48.6) -22.088,-48.812 -22.386,-48.514 ccw(c-22.599,-48.725) -22.599,-48.425 -25.05,-48.425 -28.037,-45.438 cw(c-27.825,-45.226) -28.125,-45.226 -28.125,-42.074 cw(c-27.825,-42.074) -28.037,-41.862 -25.225,-39.05 -25.225,-35.225 -24.825,-34.825 -24.825,-31.575 -22.65,-29.4 -22.65,-28.747 -22.003,-28.1 -20.353,-28.1 v1(-19.483,-27.229) -19.093,-26.84 v1(-19.088,-26.84)
  L2 w0.3: v1(-19.483,-27.229) -19.093,-26.84 v1(-19.088,-26.84) -18.473,-26.225 -14.275,-26.225 -13.575,-25.525 -13.575,-25 -12.925,-24.35 -12.925,-21.1 -13.825,-20.2 -13.825,-18.15 -12.125,-16.45 -11.426,-16.45 -11.25,-16.274 -11.25,-16.091 ; v1(-11.25,-15.3) v1(-11.25,-15.675) -11.25,-16.091 ; -10.75,-15.275 -10.75,-15.916 -10.926,-16.091 -11.25,-16.091
  other v1: -10.75,-15.399
SRAM_A0: J13M.1 U10M.A3 U11F.V12 U11M.A3 | length 14.6
  L1 w0.1: U11F.V12@12.5,-47.5 13.725,-47.5 14.05,-47.175 16.425,-47.175 17.725,-45.875 U11M.A3@18.075,-45.875 18.45,-46.25 18.45,-53.5 U10M.A3@18.075,-53.875
SRAM_A1: U10M.A4 U11F.M5 U11M.A4 | length 22.5
  L2 w0.1: v1(7.7,-53.1) 7.7,-53.125 8.075,-53.5 12.2,-53.5 12.7,-54 13.775,-54 13.95,-53.825 15.025,-53.825 15.25,-54.05 16.075,-54.05 16.3,-53.825 16.3,-53.583 16.192,-53.475 15.794,-53.475 15.504,-53.185 cw(c15.575,-53.114) 15.475,-53.115 15.475,-52.6 15.75,-52.325 16.75,-52.325 17.55,-53.125 v1(18.075,-53.125) 18.349,-52.851 18.349,-48.301 18.475,-48.175 18.475,-47.325 17.925,-46.775 17.925,-45.275 v1(18.075,-45.125)
SRAM_A2: U10M.A5 U11F.P5 U11M.A5 | length 17.2
  L2 w0.1: v1(9.3,-53.1) 9.7,-52.7 13.7,-52.7 14.425,-51.975 16.375,-51.975 16.575,-51.775 17.475,-51.775 ; v1(18.075,-44.375) 17.475,-44.975 17.475,-51.775 ; v1(18.084,-52.374) 18.074,-52.374 17.475,-51.775
SRAM_A3: U10M.B3 U11F.N4 U11M.B3 | length 19.8
  L1 w0.1: v1(18.825,-53.875) 19.2,-53.5 19.2,-46.25 U11M.B3@18.825,-45.875
  L2 w0.1: v1(8.5,-53.9) 8.65,-53.9 9.05,-54.3 9.875,-54.3 10.9,-55.325 13.1,-55.325 13.6,-55.325 13.725,-55.2 14.275,-55.2 14.5,-54.975 15.758,-54.975 16.358,-54.375 17.975,-54.375 18.475,-53.875 v1(18.825,-53.875)